# KiCad board signalmesh.kicad_pcb (continued)
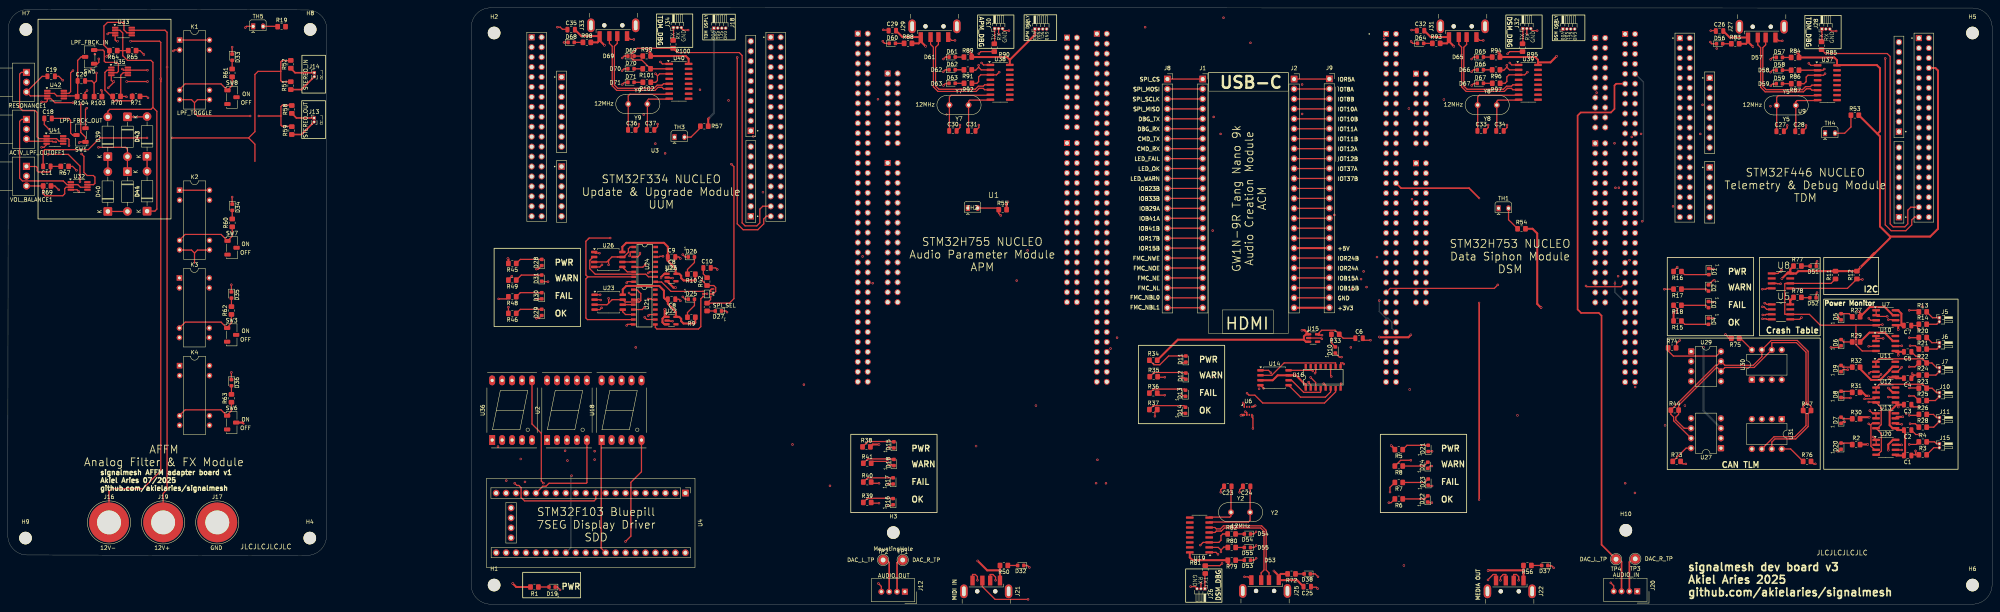
[diagram p0: board, top side]
## Routing (per net, layer and track width the routed paths; a pad name or vN(x,y) marks a point on that pad's centre or on a via; arc(x,y) is an arc through that point) (continued)
DSM_VDD: length 328.4
  Top w0.5: v2(380,140.98) 380.5,140.48 R94.2 389.5,139.73 390.2,139.03 390.2,138.38 ; 367.5,143.73 367,143.23 R93.2 ; 367.5,143.73 J31.1 362.85,144.83 C32.2 ; 367.5,143.73 v2(368.75,142.48) ; 390.2,138.38 393.39,138.38 v2(394.94,139.93) ; 390.2,138.38 U39.16 ; 386.5,8.64 377.52,8.64 v2(377.45,8.58) ; 386.5,8.64 R56.2 ; 386.5,8.64 J22.1 ; v2(352.77,40.5) 353.7,39.57 R5.2
  In1.Cu w0.5: v2(394.94,139.93) 396.55,141.54 J3.1 ; v2(380,140.98) 370.25,140.98 v2(368.75,142.48) 368.75,131.43 v2(366.2,128.88) ; v2(356,9.88) 354.97,10.91 354.97,38.3 v2(352.77,40.5) 357.47,45.19 v2(357.47,54.82) 356.99,55.3 356.99,126.31 v2(357.27,126.59)
  In2.Cu w0.5: v2(366.2,128.88) 363.91,126.59 v2(357.27,126.59) 355.27,126.59 U17.CN11_18 ; v2(357.47,54.82) 357.64,54.65 447.13,54.65 U30.3 ; v2(356,9.88) 357.31,8.58 v2(377.45,8.58)
TDM_VDD: length 682
  Top w0.5: 454.52,77.04 U5.8 454.52,77.04 ; 454.52,77.04 454.52,77.52 ; v2(472.44,86.1) 475.26,88.92 475.37,88.92 ; 475.37,88.92 475.37,89.03 475.49,89.03 475.49,89.14 475.6,89.14 475.6,89.26 475.72,89.26 475.72,89.37 475.83,89.37 475.83,89.49 475.94,89.49 475.94,89.6 476.06,89.6 476.06,89.71 476.17,89.71 480,93.54 480,93.88 ; 475.37,88.92 R12.2 R11.2 456.61,85.06 456.01,84.47 454.52,84.47 ; C26.2 439.1,144.73 J27.1 443.75,143.63 ; v2(445,142.38) 443.75,143.63 ; 443.75,143.63 443.25,143.13 R83.2 ; 454.52,84.73 453.96,84.73 v2(452.39,83.15) ; 454.52,84.73 454.52,84.47 ; 454.52,84.73 454.52,85 ; U9.CN10_8 491.53,136.95 492.2,136.28 492.2,95.88 490.2,93.88 480,93.88 ; 472.81,73.88 R27.2 ; 472.81,73.88 v2(471.95,74.74) ; 472.81,73.88 474.8,75.88 478.63,75.88 480.72,73.79 U7.7 ; v2(391,75.77) 390.91,75.77 390,76.68 390,94.68 388.8,95.88 R54.2 ; 454.52,84.47 454.52,85 ; v2(424.92,74.94) 424.77,74.79 R15.2 ; v2(454.2,78.03) 454.52,77.71 454.52,77.52 ; 480,93.88 477.4,96.48 477.4,119.48 R53.2 ; 454.52,77.52 R78.1 ; U6.8 314.56,48.35 v2(314.44,48.23) ; v2(178.81,124.16) 178.6,123.96 R57.2 ; R55.2 254.69,102.4 v2(255.05,102.76) ; 454.52,85 454.52,85.52 R77.1 ; v2(456.25,140.88) 456.75,140.38 R84.2 465.75,139.63 466.45,138.93 U37.16 466.5,137.68 476.6,137.68 477.4,136.88 477.4,120.78 476.75,120.13
  In1.Cu w0.5: v2(445,142.38) 446.5,140.88 v2(456.25,140.88) ; v2(255.05,102.76) 255.05,57.83 v2(262.17,50.71) ; v2(391,75.77) 389.94,74.72 389.94,53.23 v2(384.95,48.23) ; v2(472.44,86.1) 471.95,85.61 v2(471.95,74.74) ; U31.3 454.2,54.18 v2(454.2,78.03) 454.2,81.34 v2(452.39,83.15) ; v2(192.56,105.23) 192.56,117.02 v2(190.1,119.49)
  In2.Cu w0.5: v2(178.81,124.16) 183.48,119.49 v2(190.1,119.49) ; v2(454.2,78.03) 451.28,75.1 426.17,75.1 426,75.27 425.25,75.27 v2(424.92,74.94) 424.08,75.77 v2(391,75.77) ; v2(384.95,48.23) v2(314.44,48.23) 311.96,50.71 v2(262.17,50.71) ; v2(192.56,105.23) 192.75,105.42 210.87,105.42 212.49,103.8 254,103.8 v2(255.05,102.76)
  Bottom w0.5: v2(178.81,124.16) 180.05,125.41 J18.1
UUM_3v3: length 122
  Top w0.3: 153.22,87.86 153.2,87.84 ; 153.22,87.86 154.04,88.68 155.4,88.68 ; 153.22,87.86 153.2,87.84 ; 153.2,87.84 152.75,87.4 U26.3 ; 153.2,87.84 v1(153.2,86.68) ; 153.3,76.98 153.2,77.08 v1(153.2,78.08) ; 153.3,76.98 152.8,76.48 149.65,76.48 U23.3 ; 153.3,76.98 154.09,77.77 U23.7 157.39,77.18 161.01,77.18 161.41,77.57 161.41,79.33 160.41,80.33 U21.1 ; 156.76,88.68 155.4,88.68 ; 155.4,88.68 156.69,88.68 156.7,88.67 157.04,88.67 158.24,89.86 158.24,90.77 158.7,91.23 U24.1 ; U28.5 179.85,79.23 180.5,79.88 180.5,80.88 180,81.38 R42.1 176.94,82.74 v1(176.94,82.89)
  In1.Cu w0.3: U3.CN7_16 139.92,123.21 141.49,123.21 153.01,111.69 153.01,86.87 v1(153.2,86.68) v1(153.2,78.08)
  In2.Cu w0.3: v1(176.94,82.89) 174.29,85.54 154.34,85.54 v1(153.2,86.68)
UUM_VDD: length 469.4
  Top w0.5: U25.3 169.72,80.86 v2(170.26,80.86) ; U22.1 167.51,73.38 ; 167.51,73.38 167.39,73.38 166.93,72.93 166.93,71.98 167.43,71.48 U22.3 ; 167.51,73.38 v2(167.51,75.32) ; U40.16 173.6,139.29 172.9,139.99 R99.2 163.9,140.74 v2(163.4,141.24) ; v2(357.79,68.8) 357.16,68.17 349.8,68.17 v2(349.72,68.25) ; R98.2 150.4,143.49 150.9,143.99 ; v2(166.57,83.3) 166.57,83.52 167.43,84.38 U25.1 ; R45.2 127.64,88.16 v2(127.51,88.29) ; C35.2 146.25,145.09 J33.1 150.9,143.99 ; v2(152.15,142.74) 150.9,143.99
  In1.Cu w0.5: 169,80.86 v2(170.26,80.86) ; 169,80.86 167.51,79.37 v2(167.51,75.32) ; 169,80.86 v2(166.57,83.3) ; 153.59,141.3 153.65,141.24 v2(163.4,141.24) ; 153.59,141.3 145.51,141.3 145.09,140.88 138.9,140.88 138.4,140.38 138.4,134.19 137.57,133.36 135.53,133.36 134.85,132.67 134.85,125.74 U3.CN7_18 134.85,123.2 134.85,103.58 134.15,102.88 132.99,102.88 127.51,97.4 v2(127.51,88.29) ; 153.59,141.3 v2(152.15,142.74)
  In2.Cu w0.5: v2(127.51,88.29) 132.5,83.3 v2(166.57,83.3) ; v2(167.51,75.32) 168.47,75.32 173.01,70.78 347.19,70.78 v2(349.72,68.25) ; v2(432.41,65.58) 427.3,70.69 359.68,70.69 v2(357.79,68.8)
  Bottom w0.5: v2(432.41,65.58) 432.41,49.37 U27.3
Net-(C10-Pad1): length 2.9
  Top w0.3: C10.1 177.35,84.33 R42.2
Net-(C11-Pad1): length 11
  Top w0.3: R67.2 C11.1 10.9,110.78 10.5,110.38 7.8,110.38 7.5,110.68 7.5,111.48 7.2,111.78 4.78,111.78 VOL_BALANCE1.1
Net-(D1-A): length 7.3
  Top w0.3: R16.1 427.56,84.17 D1.2
Net-(D2-A): length 7.1
  Top w0.3: R17.1 433.18,80.46 D2.2
Net-(D3-A): length 7.1
  Top w0.3: R18.1 433.08,76.32 D3.2
Net-(D4-A): length 7.3
  Top w0.3: R15.1 427.62,71.47 D4.2
Net-(D5-A): length 3.2
  Top w0.3: D5.2 469.54,74.19 R27.1
Net-(D6-A): length 3.1
  Top w0.3: R29.1 468.1,66.97 D6.2
Net-(D7-A): length 3
  Top w0.3: R30.1 467.89,47.36 D7.2
Net-(D8-A): length 3
  Top w0.3: D8.2 470.06,54.37 R31.1
Net-(D9-A): length 3
  Top w0.3: R32.1 467.93,60.53 D9.2
Net-(D10-A): length 3.6
  Top w0.3: D10.2 337.51,66.71 R33.2
Net-(D11-A): length 10.7
  Top w0.3: D11.2 296,63.39 293.77,61.16 292.24,61.16 R34.1
Net-(D12-A): length 9.7
  Top w0.3: R35.1 292.27,59.17 300.26,59.17 D12.2
Net-(D13-A): length 9.7
  Top w0.3: R36.1 292.13,54.94 300.02,54.94 D13.2
Net-(D14-A): length 9.8
  Top w0.3: R37.1 292.11,50.71 299.88,50.71 D14.2
Net-(D15-A): length 8.6
  Top w0.3: R38.1 219.31,41.54 225.88,41.54 D15.2
Net-(D16-A): length 8.1
  Top w0.3: D16.2 225.67,27.05 219.22,27.05 R39.1
Net-(D17-A): length 8.1
  Top w0.3: D17.2 219.24,32.27 R40.1
Net-(D18-A): length 8.3
  Top w0.3: R41.1 219.26,37.09 225.83,37.09 D18.2
Net-(D19-A): length 2.7
  Top w0.3: R1.1 D19.2
Net-(D20-A): length 3
  Top w0.3: D20.2 469.94,41.15 R2.1
Net-(D21-A): length 7
  Top w0.3: D21.2 356.79,40.57 R5.1
Net-(D22-A): length 6.7
  Top w0.3: D22.2 361.31,26.88 R6.1
Net-(D23-A): length 6.9
  Top w0.3: D23.2 361.31,31.08 R7.1
Net-(D24-A): length 6.8
  Top w0.3: R8.1 361.11,35.28 D24.2
Net-(D25-A): length 6.1
  Top w0.3: 175.09,77.08 D25.2 175.09,77.08 ; 175.09,77.08 175.09,76.27 173.31,74.48 R9.2
Net-(D26-A): length 5.8
  Top w0.3: 175.09,87.98 D26.2 175.09,87.98 ; 175.09,87.98 175.09,87.27 173.31,85.48 R10.2
Net-(D27-A): length 2.1
  Top w0.3: 180.4,74.87 D27.2 R43.2
Net-(D28-A): length 6.9
  Top w0.3: R45.1 130.68,88.06 D28.2
Net-(D29-A): length 6.9
  Top w0.3: D29.2 130.68,75.31 R46.1
Net-(D30-A): length 6.9
  Top w0.3: R48.1 130.68,79.56 D30.2
Net-(D31-A): length 7
  Top w0.3: D31.2 130.93,84.06 R49.1
Net-(D32-A): length 2.5
  Top w0.3: R50.1 D32.2
Net-(D33-A): length 2.2
  Top w0.3: R61.2 D33.2
Net-(D34-A): length 2.2
  Top w0.3: D34.2 R60.2
Net-(D35-A): length 2.2
  Top w0.3: 57.02,78.38 57.02,76.18
Net-(D36-A): length 2.2
  Top w0.3: 57.02,55.58 57.02,53.38
Net-(D37-A): length 2.6
  Top w0.3: R56.1 D37.2
Net-(D38-A): length 2.2
  Top w0.3: D38.2 R72.1
Net-(D39-A): length 73.2
  Top w0.3: D44.1 37.5,100.38 38,100.88 38,125.88 37,126.88 ; 29.3,141.38 29.3,140.08 30.5,138.88 36.5,138.88 37,138.38 37,126.88 ; 29.3,141.38 29.3,145.88 28.6,146.58 U33.2 ; 29.3,141.38 R64.1 ; 29.3,141.38 R65.2 ; D39.2 25.5,125.88 26,126.38 36.5,126.38 37,126.88
Net-(D39-K): length 3.8
  Top w0.3: D40.2 D39.1
Net-(D40-K): length 5
  Top w0.3: D40.1 D41.2
Net-(D41-K): length 67.1
  Top w0.3: v1(23.1,116.68) 30,116.68 30.5,116.18 D42.2 D41.1 ; v1(18.2,117.88) 18.38,118.06 SW1.1 19.8,119.28 18.6,120.48 v1(18.6,127.88) ; v1(25.2,139.88) 25.9,140.58 R64.2 24.5,142.78 24.5,147.68 25.4,148.58 29.6,148.58 29.6,146.68 30.35,145.93 U33.6
  In1.Cu w0.3: v1(23.1,116.68) 18.4,116.68 18.2,116.88 v1(18.2,117.88) ; v1(18.6,127.88) 18.6,137.08 22,140.48 v1(22.2,140.48)
  In2.Cu w0.3: v1(22.2,140.48) 24.6,140.48 v1(25.2,139.88)
Net-(D42-K): length 5
  Top w0.3: D42.1 35.42,124.46 D43.2
Net-(D43-K): length 3.8
  Top w0.3: D44.2 D43.1
Net-(D51-A): length 2.2
  Top w0.3: R77.2 457.38,86.34 D51.2
Net-(D52-A): length 2.2
  Top w0.3: R78.2 457.45,78.27 D52.2
Net-(D53-A): length 2.2
  Top w0.3: R79.1 D53.2
Net-(D54-A): length 2.3
  Top w0.3: 315.31,17.93 D54.2 315.31,17.93 ; 315.31,17.93 315.31,17.93 R82.2
Net-(D55-A): length 2.2
  Top w0.3: D55.2 R80.2
Net-(D56-A): length 2.2
  Top w0.3: D56.2 R83.1
Net-(D57-A): length 2.2
  Top w0.3: R84.1 D57.2
Net-(D58-A): length 2.2
  Top w0.3: D58.2 R86.2
Net-(D59-A): length 2.3
  Top w0.3: D59.2 452.54,132.93 R87.2
Net-(D60-A): length 2.2
  Top w0.3: D60.2 R88.1
Net-(D61-A): length 2.2
  Top w0.3: R89.1 D61.2
Net-(D62-A): length 2.2
  Top w0.3: D62.2 R91.2
Net-(D63-A): length 2.3
  Top w0.3: 241.59,133.03 D63.2 241.59,133.03 ; 241.59,133.03 241.59,133.03 R92.2
Net-(D64-A): length 2.2
  Top w0.3: D64.2 R93.1
Net-(D65-A): length 2.2
  Top w0.3: R94.1 D65.2
Net-(D66-A): length 2.2
  Top w0.3: D66.2 R96.2
Net-(D67-A): length 2.3
  Top w0.3: D67.2 376.29,133.03 R97.2
Net-(D68-A): length 2.2
  Top w0.3: D68.2 R98.1
Net-(D69-A): length 2.2
  Top w0.3: R99.1 D69.2
Net-(D70-A): length 2.2
  Top w0.3: D70.2 R101.2
Net-(D71-A): length 2.3
  Top w0.3: D71.2 159.69,133.28 R102.2
Net-(J5-Pin_1): length 26
  Top w0.3: R14.2 491.89,71.49 J5.2 ; U7.1 U7.2 476.73,73.49 v1(479.26,73.49) ; J5.1 490.81,73.16 R13.2
  In1.Cu w0.3: J5.2 J5.1
  In2.Cu w0.3: v1(479.26,73.49) 491.5,73.49 491.83,73.16 J5.1
Net-(J6-Pin_1): length 26.2
  Top w0.3: 476.38,67.87 U10.1 ; 476.38,67.87 v1(478.23,67.87) ; 476.38,67.87 U10.2 ; J6.1 490.63,66.78 R20.2 ; R21.2 491.93,65.16 J6.2
  In1.Cu w0.3: J6.2 J6.1
  In2.Cu w0.3: J6.1 479.32,66.78 v1(478.23,67.87)
Net-(J7-Pin_1): length 23.3
  Top w0.3: R24.2 491.65,58.51 J7.2 ; U11.2 U11.1 477.12,62.67 488.25,62.67 R22.2 490.63,61.61 491.83,60.41 J7.1
  In1.Cu w0.3: J7.1 J7.2
Net-(J10-Pin_1): length 23.3
  Top w0.3: U12.2 U12.1 477.25,56.16 488.31,56.16 R23.2 490.7,55.16 491.83,54.03 J10.1 ; R25.2 491.53,52.01 J10.2
  In1.Cu w0.3: J10.2 J10.1
Net-(J11-Pin_1): length 30
  Top w0.3: J11.1 491.83,47.66 491.02,48.46 R26.2 ; v1(474.81,49.44) 475.5,48.75 U13.1 U13.2 ; J11.2 491.11,45.21 R28.2
  In1.Cu w0.3: J11.2 J11.1
  In2.Cu w0.3: J11.1 491.83,47.66 490.04,49.44 v1(474.81,49.44)
Net-(J15-Pin_1): length 28.4
  Top w0.3: J15.2 491.11,39.96 R3.2 ; J15.1 491.83,40.96 491.33,41.46 R4.2 ; U20.2 U20.1 475.69,42.7 v1(475.69,42.73)
  In1.Cu w0.3: J15.2 J15.1
  In2.Cu w0.3: J15.1 491.83,40.96 490.06,42.73 v1(475.69,42.73)
Net-(R19-Pad1): length 3.7
  Top w0.3: R19.1 68.73,147.58 TH5.2
Net-(SW1-A): length 27.1
  Top w0.3: SW1.3 19.8,126.36 v1(20.12,126.69) ; v1(30.25,129.56) 30.13,129.68 28.78,129.68 28.78,135.1 29.42,135.74 U35.6
  In1.Cu w0.3: v1(30.25,129.56) 30.6,129.21 30.6,127.8 30.11,127.31 20.75,127.31 v1(20.12,126.69)
Net-(SW1-B): length 10
  Top w0.3: C18.2 15.5,124.06 16,123.56 16,120.31 16.5,119.81 SW1.2
Net-(U2-A): length 45.2
  In1.Cu w0.3: v1(143.75,32.81) 143.75,54.22 145.12,55.59 U2.7
  Bottom w0.3: U4.28 143.57,14.41 143.57,32.64 v1(143.75,32.81)
Net-(U2-B): length 47.3
  In1.Cu w0.3: U2.6 147.66,55.59 146.46,54.39 146.46,29.09 146.18,28.81 146.18,19.56 U4.27
Net-(U2-C): length 32
  In1.Cu w0.3: U4.26 143.64,19.56 143.64,31.86 145.12,33.34 U2.4
Net-(U2-D): length 31.8
  In1.Cu w0.3: U4.25 140.97,19.43 140.97,39.43 140.04,40.35 U2.2
Net-(U2-DP): length 25
  Top w0.3: U4.16 136.43,30.13 137.25,30.13 138,30.88 147.5,30.88 147.66,31.04 U2.5
Net-(U2-E): length 31
  In1.Cu w0.3: U2.1 137.5,33.82 135.95,32.27 135.95,16.95 U4.24
Net-(U2-F): length 48.3
  In1.Cu w0.3: U4.23 133.41,16.95 133.41,39.51 135.74,41.84 135.74,51.29 140.04,55.59 U2.9
Net-(U2-G): length 31
  In1.Cu w0.3: U2.10 137.5,55.59 132.5,50.6 132.5,28.75 U4.17
Net-(U9A-PA4): length 267.9
  Top w0.3: TH3.2 174.2,119.28 176.6,121.68 R57.1
  In2.Cu w0.3: TH3.2 173.37,119.28 174.69,117.96 201.62,117.96 202.92,116.66 287.66,116.66 288.57,117.56 339.32,117.56 340.45,116.43 417.28,116.43 426.13,107.58 427.79,107.58 U9.CN7_32
Net-(U9A-PB0): length 186.7
  Top w0.3: TH2.2 252.28,101.17 R55.1 252.69,99.79 v1(253.2,99.28)
  In2.Cu w0.3: U9.CN7_34 427.83,105 418.56,105 417.27,103.71 381.05,103.71 378.53,101.19 339.18,101.19 337.92,99.93 293.13,99.93 291.89,101.17 258.09,101.17 256.2,99.28 v1(253.2,99.28)
Net-(U9A-PC0/PB8): length 53.3
  Top w0.3: R54.1 382.68,98.2 TH1.2
  In2.Cu w0.3: U9.CN7_38 427.63,100.12 421.07,100.12 420.09,101.1 TH1.2
Net-(U9A-PC1/PB9): length 62.8
  Top w0.3: R53.1 470,121.88 468.4,120.28 TH4.2
  In1.Cu w0.3: U9.CN7_36 431.59,104.08 v1(431.59,120.1)
  In2.Cu w0.3: v1(431.59,120.1) 432.09,120.61 434.44,120.61 435.16,121.33 464.06,121.33 465.11,120.28 TH4.2
Net-(U14-CLK): length 10.4
  Top w0.3: U16.4 334.78,54.22 334.66,54.1 330.45,54.1 327.36,57.19 U14.6
Net-(U14-DI/IO_{0}): length 13.4
  Top w0.3: U16.6 337.32,54.22 335.98,52.88 329.63,52.88 U14.5
Net-(U14-DO/IO_{1}): length 21.4
  Top w0.3: U16.10 338.59,61.62 325.46,61.62 322.3,58.46 U14.2
Net-(U14-VCC): length 29
  Top w0.3: v1(332.77,59.55) 332.77,59.67 v1(332.77,59.55) ; v1(332.77,59.55) 332.6,59.73 U14.8 ; C6.1 340.51,67.92 R33.1 338.47,69.96 335.02,69.96 U15.5 334.2,68.71 v1(335.12,68.71)
  In1.Cu w0.3: v1(332.77,59.55) 332.77,59.67 v1(332.77,59.55) ; v1(332.77,59.55) 332.77,66.36 v1(335.12,68.71)
Net-(U14-~{CS}): length 15.4
  Top w0.3: U16.2 332.24,56.02 331.71,56.55 v1(331.71,56.72) ; U14.1 321.47,59.73 v1(322.09,59.1)
  In2.Cu w0.3: v1(331.71,56.72) 324.47,56.72 v1(322.09,59.1)
Net-(U18-A): length 51.4
  In1.Cu w0.3: U4.36 162.62,15.19 163.77,16.34 163.77,57.02 162.07,58.72 159.04,58.72 U18.7
Net-(U18-B): length 45.2
  In1.Cu w0.3: U18.6 161.58,55.59 160.51,54.53 160.51,40.18 161.25,39.45 161.25,14.31 U4.35
Net-(U18-C): length 29.4
  In1.Cu w0.3: U18.4 159.04,40.35 158.81,40.12 158.81,14.41 U4.34
Net-(U18-D): length 29.3
  In1.Cu w0.3: U4.33 153.84,14.3 153.84,40.24 153.96,40.35 U18.2
Net-(U18-DP): length 41.5
  Top w0.3: U18.5 161.58,33.82 158.88,31.11 158.88,17.37 v1(157.52,16.01)
  In2.Cu w0.3: U4.29 147.71,16.01 v1(157.52,16.01)
Net-(U18-E): length 29.3
  Top w0.3: U18.1 151.31,41.81 151.31,14.29 U4.32
Net-(U18-F): length 45.7
  In1.Cu w0.3: U18.9 153.96,55.59 152.66,54.3 152.66,30.57 151.08,28.99 151.08,14.3 U4.31
Net-(U18-G): length 45.7
  In1.Cu w0.3: U18.10 151.42,55.59 149.7,53.87 149.7,41.88 148.72,40.9 148.72,14.48 U4.30
Net-(U19-XI): length 19.4
  Top w0.3: C24.1 316.79,30.02 Y2.1 316.79,21.42 316.35,20.98 306.48,20.98 U19.7
Net-(U19-XO): length 13.3
  Top w0.3: C23.1 311.91,29.94 Y2.2 311.91,22.54 311.6,22.23 306.46,22.23 U19.8
Net-(U21-1Y): length 10.8
  Top w0.3: U21.2 158.82,79.06 v1(158.4,79.48) ; v1(151.04,79.04) U23.1
  In2.Cu w0.3: v1(151.04,79.04) 152.09,80.08 158,80.08 158.4,79.68 v1(158.4,79.48)
Net-(U21-2Y): length 2.7
  Top w0.3: U23.6 159.49,76.5 U21.4
Net-(U21-3Y): length 3.5
  Top w0.3: U21.6 157.5,73.98 156.81,74.68 U23.5
Net-(U21-4Y): length 17.9
  Top w0.3: v1(162.4,73.26) 162.95,72.71 165.1,72.71 ; v1(151.2,77.68) 151.12,77.77 U23.2
  In2.Cu w0.3: v1(162.4,73.26) 162.4,73.28 161,74.68 158.6,74.68 158.2,75.08 158.2,75.58 158,75.78 153.1,75.78 v1(151.2,77.68)
Net-(U22-VOUT): length 28.5
  Top w0.5: U23.8 156.81,80.38 157.71,81.28 166.1,81.28 167.31,80.08 167.31,78.28 167.71,77.88 C8.1 168.3,76.69 170.38,74.61 U22.5 171.21,73.38 171.71,72.88 171.71,72.28 172.31,71.68 175.1,71.68 175.31,71.88 R9.1
Net-(U24-1Y): length 11.4
  Top w0.3: U26.1 149.54,89.94 149.84,89.65 v1(150.86,89.65) ; U24.2 158.7,89.96 158.7,89.11 v1(158.53,88.94)
  In2.Cu w0.3: v1(158.53,88.94) 151.56,88.94 v1(150.86,89.65)
Net-(U24-2Y): length 2.9
  Top w0.3: U24.4 158.7,87.42 158.68,87.4 U26.6
Net-(U24-3Y): length 3.4
  Top w0.3: U26.5 157.95,84.88 U24.6
Net-(U24-4Y): length 21.3
  Top w0.3: 149.53,88.67 149.25,88.67 148.4,87.82 148.4,85.66 149.79,84.27 162.68,84.27 163.35,83.61 165.2,83.61
Net-(U25-VOUT): length 29.6
  Top w0.5: R10.1 175.31,82.88 175.1,82.68 172.31,82.68 171.71,83.28 171.71,83.88 171.21,84.38 U25.5 170.31,84.45 170.31,85.68 168.23,87.76 168.23,88.39 ; 168.23,88.39 168.23,88.95 ; 168.23,88.39 168.3,88.46 C9.1 168.3,91.29 167.31,92.28 157.71,92.28 156.7,91.28 U26.8
Net-(U27-Rs): length 6.1
  Top w0.3: R73.1 427.94,39.84 U27.8
Net-(U29-Rs): length 15.3
  Top w0.3: U29.8 435.7,63.37 424.71,63.37 423.4,64.68 R74.1
Net-(U30-Rs): length 4.4
  Top w0.3: R75.1 441.82,67.88 U30.8
Net-(U31-Rs): length 6.8
  Top w0.3: U31.8 454.63,39.64 R76.1
Net-(U32-+): length 15.2
  Top w0.3: VOL_BALANCE1.3 R69.2 9,104.81 9.5,104.31 14,104.31 14.5,104.81 14.5,106.14 14.85,106.49 U32.3
Net-(U32--): length 34.7
  Top w0.3: ACTV_LPF_CUTOFF1.1 3.5,123.81 3,123.31 3,108.81 3.72,108.1 14.12,108.1 15.08,107.14 U32.2 17.85,107.14 18.5,106.49 U32.6
Net-(U35--): length 16.6
  Top w0.3: 31.75,130.31 31.75,128.81 31.5,128.56 27,128.56 26.78,128.78 26.78,129.68 26.38,129.68 24.75,131.31 24.75,135.81 25.33,136.39 U35.2
Net-(U36-A): length 43.2
  In1.Cu w0.3: U4.15 138.61,29.77 138.61,43.48 141.13,46 141.13,58.13 140.54,58.72 131.12,58.72 U36.7
Net-(U36-B): length 31.7
  Top w0.3: v1(136.58,30.92) 136.04,31.46 136.04,43.64 133.66,46.02 U36.6
  In2.Cu w0.3: U4.14 139.12,28.38 v1(136.58,30.92)
Net-(U36-C): length 22.9
  In1.Cu w0.3: v1(131.87,31.22) 131.87,39.6 131.12,40.35 U36.4
  In2.Cu w0.3: v1(131.87,31.22) 132.17,31.52 139.16,31.52 U4.13
Net-(U36-D): length 30.2
  In1.Cu w0.3: U36.2 126.04,32.63 v1(127.11,31.56)
  In2.Cu w0.3: v1(127.11,31.56) 127.52,31.97 141.25,31.97 U4.12
Net-(U36-DP): length 31.6
  In1.Cu w0.3: v1(149.64,39.08) v1(149.64,36.92)
  In2.Cu w0.3: v1(149.64,39.08) 149.6,39.12 149.6,40.08 149.33,40.35 144.23,40.35 144.18,40.4 143.31,40.4 143.26,40.35 133.66,40.35 U36.5 ; v1(149.64,36.92) 149.64,33.74 U4.8
Net-(U36-E): length 34.2
  In2.Cu w0.3: U36.1 123.5,33.82 124.89,32.43 143.28,32.43 147.33,28.38 U4.11
Net-(U36-F): length 53.4
  Top w0.3: U4.10 149.92,26.8 149.5,26.38 131.75,26.38 130.88,27.25 130.88,29.75 130.31,30.32 129.81,30.32 v1(129.25,30.88)
  In1.Cu w0.3: v1(129.25,30.88) 127.31,32.82 127.31,54.32 126.04,55.59 U36.9
Net-(U36-G): length 51.3
  In1.Cu w0.3: U36.10 123.5,55.59 124.97,54.13 124.97,40.26 v1(124.99,40.24) ; v1(142.7,36.68) 142.1,37.28 142.1,39.08
  In2.Cu w0.3: v1(142.1,39.18) 141.4,39.88 141.4,39.88 125.35,39.88 v1(124.99,40.24) ; v1(142.7,36.68) 144.8,36.68 152.46,29.02 U4.9 152.46,28.42
Net-(U37-XI): length 19.4
  Top w0.3: C27.1 451.06,120.84 Y5.1 451.06,129.44 451.5,129.88 461.37,129.88 U37.7
Net-(U37-XO): length 13.3
  Top w0.3: C28.1 455.94,120.92 Y5.2 455.94,128.32 456.25,128.63 461.39,128.63 U37.8
Net-(U38-XI): length 19.4
  Top w0.3: U38.7 250.42,129.98 240.55,129.98 240.11,129.54 Y7.1 240.11,120.94 C30.1
Net-(U38-XO): length 13.3
  Top w0.3: U38.8 250.44,128.73 245.3,128.73 244.99,128.42 Y7.2 244.99,121.02 C31.1
Net-(U39-XI): length 19.4
  Top w0.3: U39.7 385.12,129.98 375.25,129.98 374.81,129.54 Y8.1 374.81,120.94 C33.1
Net-(U39-XO): length 13.3
  Top w0.3: C34.1 379.69,121.02 Y8.2 379.69,128.42 380,128.73 385.14,128.73 U39.8
Net-(U40-XI): length 19.4
  Top w0.3: U40.7 168.52,130.24 158.65,130.24 158.21,129.8 Y9.1 158.21,121.2 C36.1
Net-(U40-XO): length 13.3
  Top w0.3: U40.8 168.54,128.99 163.4,128.99 163.09,128.68 Y9.2 163.09,121.28 C37.1
Net-(U41-+): length 15
  Top w0.3: ACTV_LPF_CUTOFF1.3 5.33,118.24 U41.3 11.33,118.24 11.5,118.06 v1(12.25,118.06) ; v1(10.5,121.31) 9.3,122.51 C18.1
  In1.Cu w0.3: v1(12.25,118.06) 11.75,118.56 11.75,120.06 v1(10.5,121.31)
Net-(U41--): length 28.8
  Top w0.3: U41.6 13.08,118.24 12.42,118.89 U41.2 7.92,118.89 7.5,119.31 7.5,125.56 7,126.06 3.75,126.06 3,126.81 3,135.38 3.43,135.81 RESONANCE1.1
Net-(U42-+): length 12.7
  Top w0.3: U42.3 5.75,129.81 RESONANCE1.3 8.75,134.81 C19.1
unconnected-(J1-Pin_12-Pad12): length 9
  Top w0.3: J1.12 J8.12
unconnected-(J1-Pin_13-Pad13): length 9
  Top w0.3: J1.13 J8.13
unconnected-(J1-Pin_14-Pad14): length 9
  Top w0.3: J1.14 J8.14
unconnected-(J1-Pin_15-Pad15): length 9
  Top w0.3: J1.15 J8.15
unconnected-(J1-Pin_16-Pad16): length 9
  Top w0.3: J1.16 J8.16
unconnected-(J1-Pin_17-Pad17): length 9
  Top w0.3: J1.17 J8.17
unconnected-(J2-Pin_17-Pad17): length 9
  Top w0.3: J9.17 336.96,93.48 J2.17
unconnected-(J2-Pin_19-Pad19): length 9
  Top w0.3: J9.19 336.96,88.4 J2.19
unconnected-(J2-Pin_20-Pad20): length 9
  Top w0.3: J2.20 336.96,85.86 J9.20
unconnected-(J2-Pin_21-Pad21): length 9
  Top w0.3: J9.21 336.96,83.32 J2.21
unconnected-(J2-Pin_22-Pad22): length 9
  Top w0.3: J2.22 336.96,80.78 J9.22

## Copper pours and planes (outline as drawn; the poured copper is in the pictures)
GND on Bottom: 3.5,151.38 3,150.88 1,147.88 1,15.88 3,13.38 78,13.38 80.5,15.88 80.5,148.88 78,150.88 77,151.38
GND on Bottom: 505,0.88 120.3,0.98 119.4,151.83 505,151.46

## Text on the board
F.Fab: C8 | R10 | LED_FAIL | LED_OK | LED_PWR | LED_WARN
F.Silkscreen: VDD | SDA | SCL | GND | TDM DSPLY | APM DSPLY | DSM DSPLY | TX | RX | L | R | ON | OFF | U22 | C8 | IOR5A | IOT8A | IOT8B | IOT10A | IOT10B | IOT11A | IOT11B | IOT12A | IOT12B | IOT37A | IOT37B | +5V | IOR24B | IOR24A | IOB15A | IOB15B | +3V3 | SPI_CS | SPI_MOSI | SPI_SCLK | SPI_MISO | DBG_TX | DBG_RX | CMD_TX | CMD_RX | LED_FAIL | LED_OK | LED_WARN | IOB23B | IOB33B | IOB29A | IOB41A | IOB41B | IOR17B | IOR15B | FMC_NWE | FMC_NOE | FMC_NE | FMC_NL | FMC_NBL0 | FMC_NBL1 | MIDI IN | MEDIA OUT | DSM_DBG | TDM_DBG | APM_DBG | Power Monitor | signalmesh AFFM adapter board v1 / Akiel Aries 07/2025 / github.com/akielaries/signalmesh | JLCJLCJLCJLC | PWR | WARN | FAIL | OK | CAN TLM | Crash Table | I2C | signalmesh dev board v3 / Akiel Aries 2025 / github.com/akielaries/signalmesh | AFFM / Analog Filter & FX Module | STM32F103 Bluepill / 7SEG Display Driver / SDD | STM32F334 NUCLEO / Update & Upgrade Module / UUM | STM32H755 NUCLEO / Audio Parameter Module / APM | STM32H753 NUCLEO / Data Siphon Module / DSM | STM32F446 NUCLEO / Telemetry & Debug Module / TDM | GW1N-9R Tang Nano 9k / Audio Creation Module / ACM | HDMI | USB-C
